# Altium PCB PCB-watch.PcbDoc
Units mm, origin at the board's own origin, x right, y up, seen from the top; angles counter-clockwise.
Board outline 22.5 x 46 mm, 2 copper layers (Top Layer, Bottom Layer); 65 components, 58 nets, 259 pads, 160 vias.
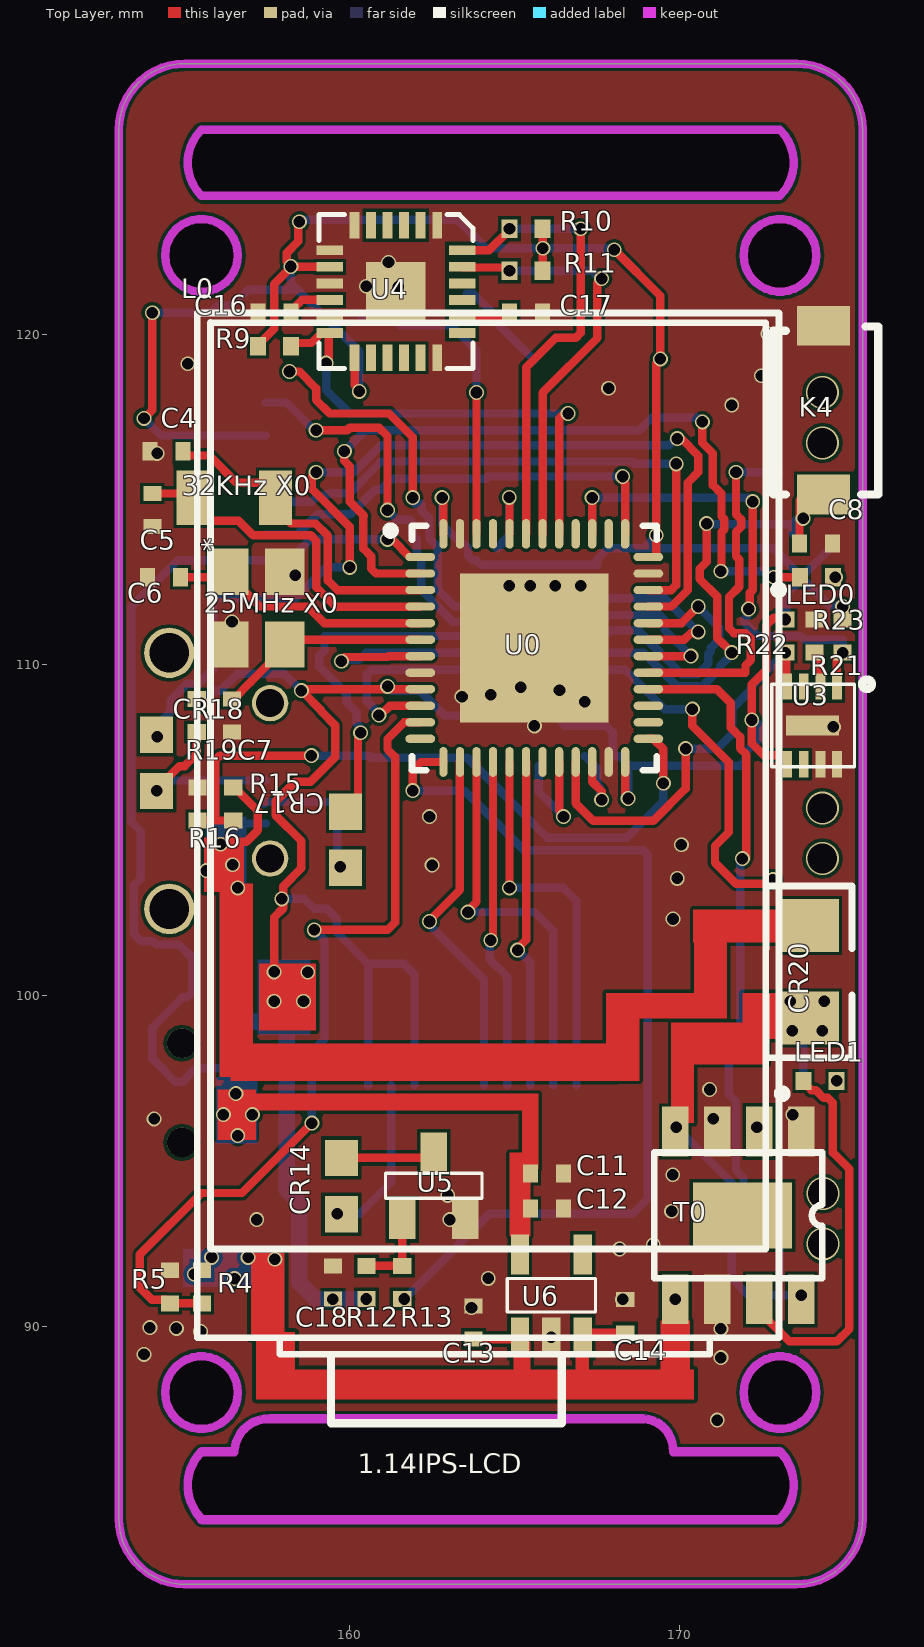
[diagram p0: Top Layer view]
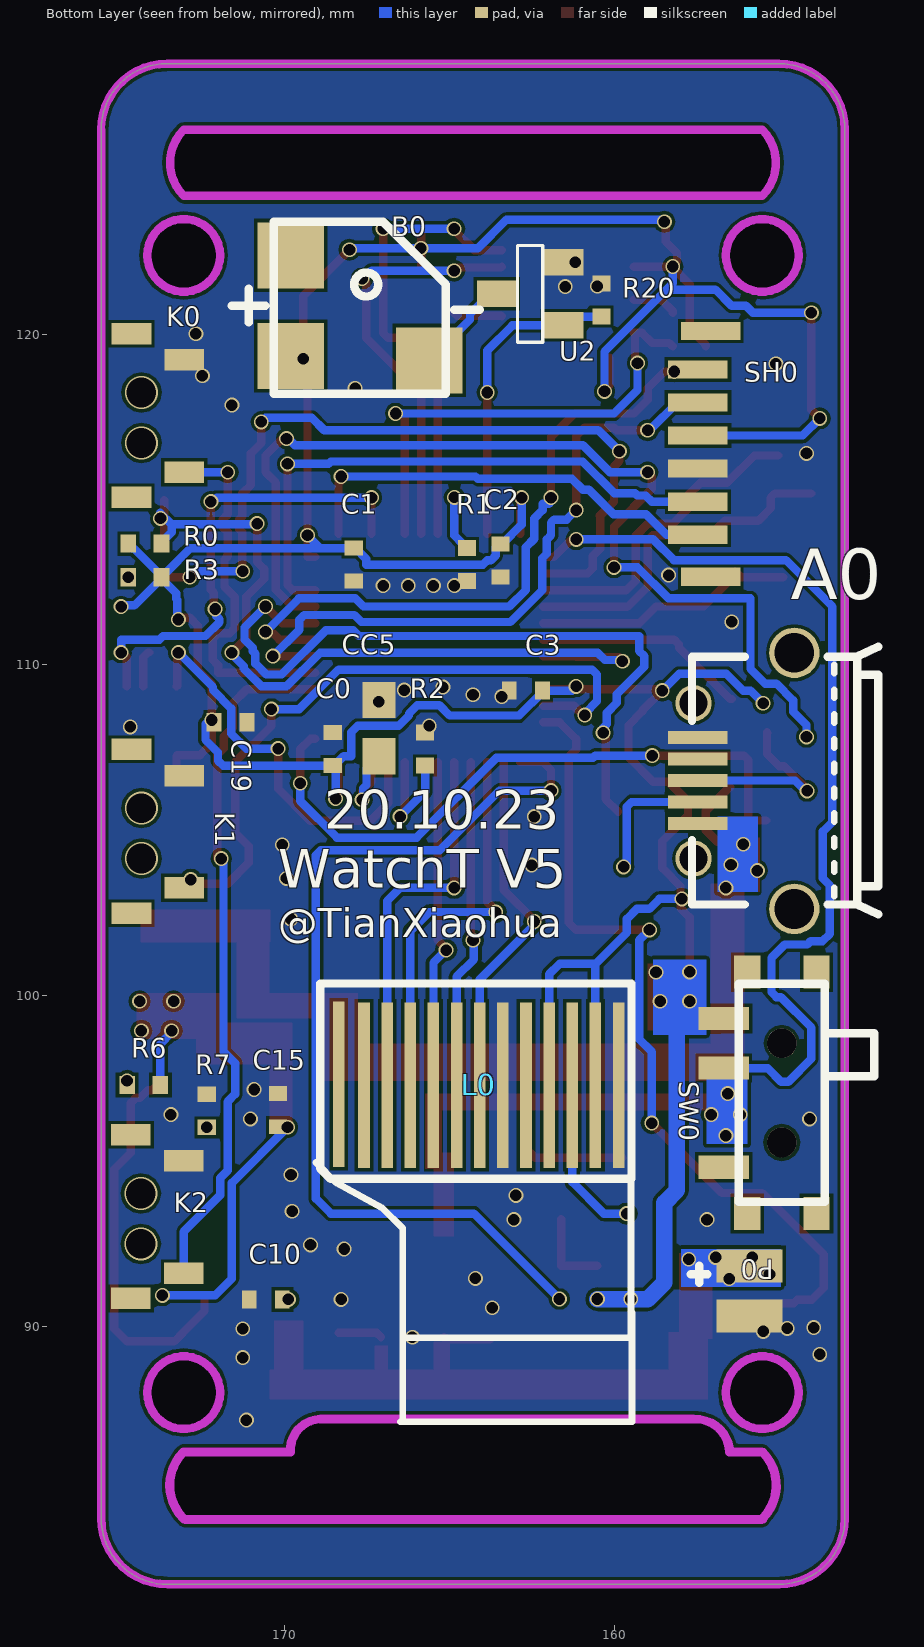
[diagram p1: Bottom Layer view, seen from below]
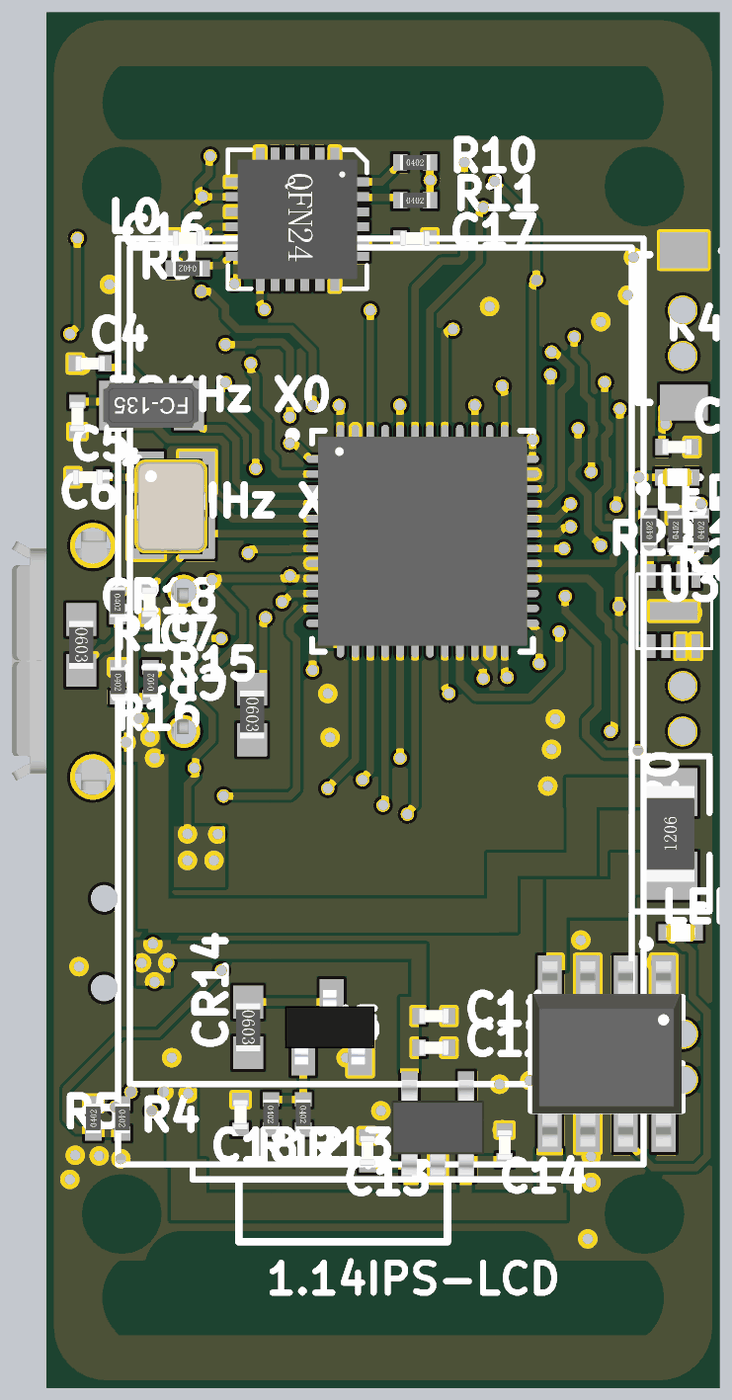
[diagram p2: 3D render of the assembled board from above, using the file's embedded part models]
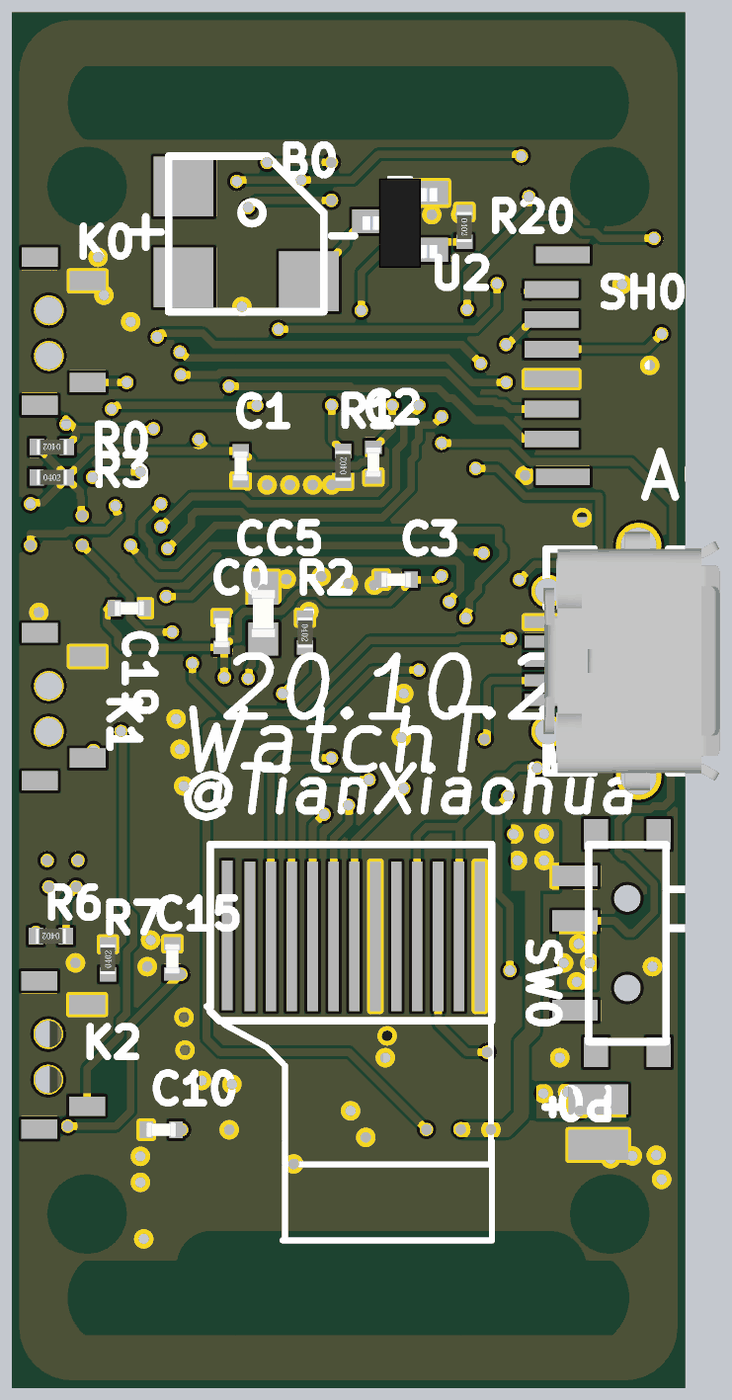
[diagram p3: 3D render of the assembled board from below, using the file's embedded part models]

## Layer stack, top to bottom
Top Solder: solder mask 0.0102, Solder Resist, Dk 3.5
Top Layer: signal copper 0.0356
Dielectric 1: dielectric 0.32, FR-4, Dk 4.8
Bottom Layer: signal copper 0.0356
Bottom Solder: solder mask 0.0102, Solder Resist, Dk 3.5

## Board outline
153.035,84.185 ccw(c155.035,84.185) 155.035,82.185 155.021,82.185 173.521,82.185 ccw(c173.528,84.192) 175.535,84.186 175.534,84.186 175.535,126.185 ccw(c173.535,126.185) 173.535,128.185 155.035,128.185 ccw(c155.035,126.185) 153.035,126.185
cut-out: 155.409,84.132 ccw(c155.535,84.153) 155.535,84.026 173.003,84.026 ccw(c173.003,84.153) 173.108,84.08 ccw(c173.035,84.185) 173.125,84.095 ccw(c172.035,85.185) 173.577,85.185 ccw(c172.035,85.185) 173.132,86.268 ccw(c173.035,86.185) 173.035,86.313 169.926,86.313 ccw(c168.855,86.241) 168.917,87.313 ccw(c168.91,87.186) 168.899,87.312 157.593,87.312 cw(c157.563,86.157) 157.594,87.312 157.593,87.312 ccw(c157.563,86.157) 156.418,86.312 155.535,86.312 ccw(c155.535,86.185) 155.445,86.275 ccw(c156.535,85.185)
cut-out: 154.4,87.987 ccw(c155.5,87.987) 155.5,86.887 ccw(c155.5,87.987) 156.6,87.987 ccw(c155.5,87.987) 155.5,89.087 ccw(c155.5,87.987)
cut-out: 171.9,87.987 ccw(c173,87.987) 173,86.887 ccw(c173,87.987) 174.1,87.987 ccw(c173,87.987) 173,89.087 ccw(c173,87.987)
cut-out: 155.556,121.285 cw(c155.556,122.385) 154.456,122.385 cw(c155.556,122.385) 155.556,123.485 cw(c155.556,122.385) 156.656,122.385 cw(c155.556,122.385)
cut-out: 173.035,121.285 cw(c173.035,122.385) 171.935,122.385 cw(c173.035,122.385) 173.035,123.485 cw(c173.035,122.385) 174.135,122.385 cw(c173.035,122.385)
cut-out: 155.535,124.185 173.035,124.185 ccw(c172.035,125.185) 173.035,126.185 155.535,126.185 ccw(c156.535,125.185)

## Design rules (kind name [scope] priority, off if disabled: settings)
Clearance [All] p1: gap=0.1 ignorepadtopadclearanceinfootprint=TRUE
DiffPairsRouting [All] p1: maxlimit=0.254 minlimit=0.15 mostfreqgap=0.254 toplayer_minwidth=0.381 toplayer_maxwidth=0.381 toplayer_prefwidth=0.381 bottomlayer_minwidth=0.381 bottomlayer_maxwidth=0.381 bottomlayer_prefwidth=0.381 maxuncoupledlength=12.7
HoleToHoleClearance [All] p1: gap=0.15 allowstackedmicrovias=TRUE
MinimumSolderMaskSliver [All] p1: minsoldermaskwidth=0.01
PlaneConnect [All] p1: planeconnectstyle=Relief reliefexpansion=0.508 reliefentries=4 reliefconductorwidth=0.5 reliefairgap=0.254
PolygonConnect [All] p1: connectstyle=Direct reliefconductorwidth=0.4 reliefentries=4 polygonreliefangle="90 Angle" airgapwidth=0.15
RoutingVias [All] p1: holewidth=0.711 width=1.27 viastyle="Through Hole" minholewidth=0.25 minwidth=0.35 maxholewidth=0.711 maxwidth=1.27
SilkToSilkClearance [All] p1: silktosilkclearance=0
SilkToSolderMaskClearance [IsPad] p1: minsilkscreentomaskgap=0 clearancetoexposedcopper=TRUE
SolderMaskExpansion [All] p1: expansion=0.102
Width [All] p1: maxlimit=1 minlimit=0.254 preferedwidth=0.254
24 further rules are at their usual default settings.

## Components (designator, comment, footprint, x,y, rotation, side; value= is the part's Value field where it differs from the comment)
"25MHz X0" "XTAL 3225 8M" "T 3225" 158.054,112.817 r270 top
"32KHz X0" "XTAL 3215 32.768kKHz" "T 3215" 157.782,115.056 r180 top
A0 "Micro USB" "Micro usb AB" 157.486,107.823 r270 bottom
B0 "5020蜂鸣器" 5020蜂鸣器 170.307,118.194 r180 bottom
C0 "100NF" 0402Capacitor 168.529,107.45 r270 bottom
C1 "100NF" 0402Capacitor 167.894,113.03 r90 bottom
C2 "100NF" 0402Capacitor 163.449,113.157 r90 bottom
C3 "100NF" 0402Capacitor 162.687,109.22 r180 bottom
C4 "15PF" 0402Capacitor 154.477,116.459 r0 top
C5 "15PF" 0402Capacitor 154.051,114.681 r90 top
C6 "8PF" 0402Capacitor 154.4,112.649 r0 top
C7 "8PF" 0402Capacitor 156.464,108.466 r90 top
C8 "1UF" 0402Capacitor 174.125,113.665 r180 top
C10 "10UF" 0402Capacitor 170.553,90.805 r180 bottom
C11 "10UF" 0402Capacitor 165.987,94.615 r180 top
C12 "100NF" 0402Capacitor 165.987,93.551 r180 top
C13 "10UF" 0402Capacitor 163.761,90.105 r270 top
C14 "100NF" 0402Capacitor 168.354,90.297 r270 top
C15 "10UF" 0402Capacitor 170.18,96.528 r270 bottom
C16 "100NF" 0402Capacitor 157.742,120.65 r180 top
C17 "2.2UF" 0402Capacitor 165.354,120.65 r180 top
C18 "1UF" 0402Capacitor 159.512,91.313 r270 top
C19 "100NF" 0402Capacitor 171.615,108.261 r0 bottom
CC5 "Cap Chip 0603" CC1608-0603 167.132,108.086 r270 bottom value=4.7uf
CR14 "Resistor Chip 0603" CR1608-0603 159.766,94.234 r270 top value=10R
CR17 "Resistor Chip 0603" CR1608-0603 159.899,104.708 r270 top value=22R
CR18 "Resistor Chip 0603" CR1608-0603 154.178,107.035 r270 top value=22R
CR20 "Resistor Chip 1206" CR3216-1206 173.914,100.711 r90 top value=0.4R
K0 "KEY 3*4" "2*4*3.5 KEY" 173.016,115.824 r90 bottom
K1 "KEY 3*4" "2*4*3.5 KEY" 173.016,103.251 r90 bottom
K2 "KEY 3*4" "2*4*3.5 KEY" 173.033,91.596 r90 bottom
K4 "KEY 3*4" "KEY 3*4" 174.351,115.152 r90 top
L0 "TFT LED" LCD-1.14IPS-(2) 155.898,120.427 r270 top
LED0 "0402 LED" "0402 LED" 174.135,112.649 r180 top
LED1 "0402 LED" "0402 LED" 174.244,97.409 r180 top
P0 "power" POWER-3.7V 157.191,92.202 r270 bottom
R0 "10K" 0402resistor 174.211,113.665 r0 bottom
R1 "10K" 0402resistor 164.465,113.03 r90 bottom
R2 "10K" 0402resistor 165.735,107.45 r270 bottom
R3 "1K" 0402resistor 174.212,112.649 r180 bottom
R4 "10K" 0402resistor 155.554,91.186 r270 top
R5 "10K" 0402resistor 154.585,91.186 r90 top
R6 "1K" 0402resistor 174.244,97.29 r0 bottom
R7 "1.2K" 0402resistor 172.339,96.512 r90 bottom
R9 "10K" 0402resistor 157.742,119.634 r180 top
R10 "10K" 0402resistor 165.354,123.19 r0 top
R11 "10K" 0402resistor 165.354,121.92 r0 top
R12 "10K" 0402resistor 160.528,91.321 r270 top
R13 "1K" 0402resistor 161.61,91.321 r270 top
R15 "10K" 0402resistor 156.498,105.791 r90 top
R16 "10K" 0402resistor 155.413,105.791 r270 top
R19 "10K" 0402resistor 155.392,108.466 r270 top
R20 "33K" 0402resistor 160.401,121.031 r270 bottom
R21 "10K" 0402resistor 174.078,110.871 r90 top
R22 "10K" 0402resistor 173.194,110.871 r90 top
R23 "10K" 0402resistor 174.928,110.871 r90 top
SH0 "SH1.0-6P" SH1.0-6P 157.48,113.935 r90 bottom
SW0 "MKS-12D19" "SW  MSK-02" 154.945,95.552 r90 bottom
T0 "TP4056X" ESOP8 173.678,95.885 r270 top
U0 "STM32F401CCU6" STM32-UFQFPN48_N 165.604,110.511 r0 top
U2 "SI2302" "SOT-23 SI2302" 161.544,120.269 r90 bottom
U3 "SHT30" SHT3X-DIS 173.254,109.343 r270 top
U4 "MPU6050" "QFN24 - duplicate" 161.417,121.29 r270 top
U5 "S8050" "SOT-23 SI2302" 161.61,93.226 r0 top
U6 "MIC5205" SOT23-5 167.071,89.662 r180 top

## Footprints (in the part's own frame and the unit in brackets; to place one, negate y for a bottom-side part, rotate by r counter-clockwise, add the part's x,y. Pads: shape width x height; smd on the part's side, far side on the other; paste and mask are expansions set on the pad)
"2*4*3.5 KEY" [mm] "非常小的贴片卧式按键"
  rect 0.65x1.2 smd: 0(-0.762,1.6) 0(4.191,1.6) 1(0,0) 2(3.4,0)
  body extent -0.51,-0.51 3.94,3.3, height 1.9
"0402 LED" [mm]
  rect 0.48x0.55 smd: 1(-0.5,0) 2(0.5,0)
  silkscreen extent 1.02,0.25 1.27,0.51, body extent -0.5,-0.3 0.5,0.3, height 0.2
0402Capacitor [mm]
  rect 0.45x0.55 smd: 1(-0.5,0) 2(0.5,0)
  body extent -0.5,-0.25 0.5,0.25, height 0.3
0402resistor [mm]
  rect 0.48x0.55 smd: 1(-0.5,0) 2(0.5,0)
  body extent -0.5,-0.25 0.5,0.25, height 0.35
5020蜂鸣器 [mm] "蜂鸣器 贴片封装"
  rect 2x2 smd: 1(0.508,1.143) 2(4.699,1.016) ""(0.508,4.191)
  silkscreen extent -1.27,0 6.22,5.21, body extent 0,0 5.21,5.08, height 2.01
CC1608-0603 [mm]
  rect 1.1x1 smd: 1(-0.85,0) 2(0.85,0)
  body extent -0.8,-0.4 0.8,0.4, height 0.3
CR1608-0603 [mm]
  rect 1.1x1 smd: 1(-0.85,0) 2(0.85,0)
  body extent -0.8,-0.4 0.8,0.4, height 0.45
CR3216-1206 [mm]
  rect 1.6x1.8 smd: 1(-1.4,0) 2(1.4,0)
  silkscreen extent -2.6,-1.3 2.6,1.3, body extent -1.6,-0.8 1.6,0.8, height 0.6
ESOP8 [mm]
  rect 1.5x0.8 smd: 1(0,0) 2(0,-1.27) 3(0,-2.54) 4(0,-3.81) 5(5.081,-3.81) 6(5.081,-2.54) 7(5.081,-1.27) 8(5.081,0)
  rect 2x3 smd: 9(2.54,-1.778)
  silkscreen extent 0.63,-4.44 4.45,0.64, body extent -0.56,-4.41 5.64,0.6, height 1.75
"KEY 3*4" [mm] "非常小的贴片卧式按键"
  rect 1.2x1.6 smd: 1(0,0) 2(5.1,0)
  silkscreen extent 0,-1.65 5.08,1.52, body extent 0.51,-1.71 4.57,1.46, height 2.5
LCD-1.14IPS-(2) [mm]
  rect 5x0.35 smd far side: 1(23.114,12.446) 2(23.145,11.683) 3(23.145,10.983) 4(23.145,10.283) 5(23.145,9.583) 6(23.145,8.883) 7(23.145,8.183) 8(23.145,7.483) 9(23.145,6.783) 10(23.145,6.083) 11(23.145,5.383) 12(23.145,4.683) 13(23.145,3.983)
  silkscreen extent -0.22,-0.49 33.37,17.11, body extent -0.13,-0.38 30.61,16.89, height 3.26
"Micro usb AB" [mm]
  rect 0.4x1.8 smd: 1(2.623,0) 2(1.973,0) 3(1.323,0) 4(0.673,0) 5(0.023,0)
  round 1.524 hole 1.2: 15(-2.54,2.921) 15(5.207,2.921)
  round 1.1 hole 0.85: 15(-1.016,-0.127) 15(3.683,-0.127)
  silkscreen extent -2.73,-0.17 5.37,5.46, body extent -3,-0.28 5.65,5.62, height 2.81
POWER-3.7V [mm]
  rect 1x2 smd: 1(0.381,1.27) 2(1.905,1.27)
  silkscreen extent 0.38,-0.51 0.89,0
"QFN24 - duplicate" [mm]
  rect 0.8x0.3 smd: 1(-2,1.25) 2(-2,0.75) 3(-2,0.25) 4(-2,-0.25) 5(-2,-0.75) 6(-2,-1.25) 13(2,-1.25) 14(2,-0.75) 15(2,-0.25) 16(2,0.25) 17(2,0.75) 18(2,1.25)
  rect 1.8x1.8 smd: 1(0.005,0)
  rect 0.3x0.8 smd: 7(-1.25,-2) 8(-0.75,-2) 9(-0.25,-2) 10(0.25,-2) 11(0.75,-2) 12(1.25,-2) 19(1.25,2) 20(0.75,2) 21(0.25,2) 22(-0.25,2) 23(-0.75,2) 24(-1.25,2)
  silkscreen extent -2.32,-2.32 2.32,2.32, body extent -2,-2 2.01,2, height 0.9
SH1.0-6P [mm]
  rect 0.55x1.8 smd: 0(-1.27,-0.381) 0(6.159,-0.381) 1(0,0) 2(1,0) 3(2,0) 4(3,0) 5(4,0) 6(5,0)
  body extent -1.52,-3.17 6.48,0, height 3
SHT3X-DIS [mm]
  rect 0.8x0.3 smd: 1(0,1.5) 2(0,1) 3(0,0.5) 4(0,0) 5(2.35,0) 6(2.35,0.5) 7(2.35,1) 8(2.35,1.5)
  rect 0.6x1.6 smd: 9(1.175,0.762)
  silkscreen extent -0.21,-0.47 2.43,2.56, body extent -0.1,-0.51 2.44,2.03, height 1.27
SOT23-5 [mm] "适用于MIC5205"
  rect 0.55x1.2 smd: 1(1.905,0) 2(0.955,0) 3(0.005,0) 4(0.005,-2.5) 5(1.905,-2.5)
  silkscreen extent -0.38,-1.78 2.29,-0.76, body extent -0.6,-2.82 2.5,0.38, height 1.45
"SOT-23 SI2302" [mm]
  rect 0.8x1.2 smd: 1(0,0) 2(1.905,0) 3(0.95,2.02)
  silkscreen extent -0.51,0.63 2.41,1.4, body extent -0.61,-0.23 2.39,2.27, height 1.05
STM32-UFQFPN48_N [mm] "QFN, 48-Leads, Body 7.1x7.1mm, Pitch 0.5mm, Thermal Pad 5.6x5.6mm, IPC Medium Density"
  oval 0.9x0.25 smd: 1(-3.45,2.75) 2(-3.45,2.25) 3(-3.45,1.75) 4(-3.45,1.25) 5(-3.45,0.75) 6(-3.45,0.25) 7(-3.45,-0.25) 8(-3.45,-0.75) 9(-3.45,-1.25) 10(-3.45,-1.75) 11(-3.45,-2.25) 12(-3.45,-2.75) 25(3.45,-2.75) 26(3.45,-2.25) 27(3.45,-1.75) 28(3.45,-1.25) 29(3.45,-0.75) 30(3.45,-0.25) 31(3.45,0.25) 32(3.45,0.75) 33(3.45,1.25) 34(3.45,1.75) 35(3.45,2.25) 36(3.45,2.75)
  oval 0.25x0.9 smd: 13(-2.75,-3.45) 14(-2.25,-3.45) 15(-1.75,-3.45) 16(-1.25,-3.45) 17(-0.75,-3.45) 18(-0.25,-3.45) 19(0.25,-3.45) 20(0.75,-3.45) 21(1.25,-3.45) 22(1.75,-3.45) 23(2.25,-3.45) 24(2.75,-3.45) 37(2.75,3.45) 38(2.25,3.45) 39(1.75,3.45) 40(1.25,3.45) 41(0.75,3.45) 42(0.25,3.45) 43(-0.25,3.45) 44(-0.75,3.45) 45(-1.25,3.45) 46(-1.75,3.45) 47(-2.25,3.45) 48(-2.75,3.45)
  rect 4.5x4.5 smd: 49(0,0)
  silkscreen extent -4.47,-3.7 3.7,3.7, body extent -3.5,-3.5 3.5,3.5, height 0.55
"SW  MSK-02" [mm] "拨动开关"
  rect 1x0.8 smd: 0(-2.15,-1.05) 0(-2.15,1.05) 0(5.15,-1.05) 0(5.15,1.05)
  rect 0.7x1.524 smd: 1(-0.75,1.75) 2(2.25,1.75) 3(3.75,1.75)
  round 0.9 hole 0.9 unplated: ""(0,0) ""(3,0)
  silkscreen extent -1.8,-2.8 4.8,1.3, body extent -2.6,-2.79 5.59,2.22, height 1.6
"T 3215" [mm]
  rect 1x1.65 smd: 1(0,0) 2(2.5,0)
  body extent -0.33,-0.75 2.87,0.75, height 0.8
"T 3225" [mm]
  rect 1.4x1.2 smd: 1(0,-1.7) 2(2.2,0) 3(0,0) 3(2.2,-1.7)
  body extent -0.46,-2.12 2.74,0.38, height 0.61

## Part data
B0: "蜂鸣器，贴片封装，长宽5.2mm"
C0 C1 C2 C3 C4 C5 C6 C7 C8 C10 C11 C12 C13 C14 C15 C16 C17 C18 C19: library part "0402 CAP"
CC5: "Polarized Capacitor (Radial)", Published=8-Jun-2000, Publisher="Altium Limited", Revision="July-2002: Re-released for DXP Platform."
CR14 CR17 CR18 CR20: "Resistor", Published=8-Jun-2000, Publisher="Altium Limited", Revision="July-2002: Re-released for DXP Platform."
L0: library part LCD-IPSscreen, "显示屏 1.14寸"
R0 R1 R2 R3 R4 R5 R6 R7 R9 R10 R11 R12 R13 R15 R16 R19 R20 R21 R22 R23: library part "0402 RES"
SH0: "间距为1mm的端子"
SW0: library part sw-MSK-12D19
U0: library part stm32F411CEU6, "stm32单片机 主频100MHz"
U2: "NMOS场效应MOS管 SOT-23"
U3: "温湿度传感器"
U4: "陀螺仪"
U5: "三极管放大管 NPN型三极管 大电流300ma"
U6: "3.3V降压稳压芯片"

## Via types
v1: diameter 0.45, hole 0.35, Top Layer to Bottom Layer, 154 vias
v2: diameter 1, hole 0.9, Top Layer to Bottom Layer, 6 vias

## Nets (pads, with @x,y where several pads share a name; then routed paths per layer and width w, separated by ;. In a path a pad name is that pad's centre, name@x,y a point inside that pad or via, vN(x,y) a via of type N, cw(c..) or ccw(c..) an arc to the next point about the centre after c; other vN are vias at no path point)
3.3V: B0.1 C0.2 C1.2 C2.2 C3.2 C18.2 C19.2 L0.10 L0.12 R0.2 R3.2 R9.2 R10.2 R11.2 R12.2 R19.1 R22.2 R23.2 SH0.4 SW0.3 U0.9 U0.24 U0.36 U0.48 U3.5 U4.8 U4.13 | length 127
  Top Layer w0.254: v1(153.797,117.453) 154.051,117.707 v1(154.051,120.65) ; R9.2 157.242,119.669 157.734,120.161 157.734,121.51 158.264,122.04 U4.8 ; v1(157.734,100.711) 157.734,102.362 158.01,102.638 158.01,103.301 158.559,103.849 158.559,104.668 157.782,105.445 157.782,105.873 158.373,106.464 158.837,106.464 159.582,107.209 159.582,108.168 159.167,108.583 159.167,108.612 v1(158.559,109.22) ; v1@158.115,122.188 158.115,122.459 158.458,122.803 158.458,123.364 v1(158.496,123.401) ; v1@158.559,109.261 U0.9 ; U4.13 160.167,118.462 160.308,118.321 v1(160.308,118.268) ; v1(162.814,115.056) 162.814,115.003 162.854,114.963 U0.48 ; R11.2 R10.2 ; v1(168.021,122.555) 169.418,121.158 v1(169.418,119.253) 169.291,119.126 v1(169.291,113.919) 169.291,113.263 169.289,113.261 U0.36 ; U0.24 168.354,106.094 168.44,106.009 v1(168.44,105.956) ; v1(173.194,111.371) 173.142,111.423 172.847,111.423 172.614,111.19 172.614,109.843 172.182,109.412 v1(172.182,108.331) 172.182,107.621 172.537,107.266 173.231,107.266 173.254,107.243 U3.5
  Bottom Layer w0.254: v1(153.797,117.453) 154.315,116.935 SH0.4 ; v1(154.051,120.65) 155.82,120.65 156.03,120.86 156.464,120.86 156.952,121.349 158.433,121.349 ; v1(155.51,108.839) 155.891,109.22 156.114,109.22 156.622,109.728 158.051,109.728 v1(158.559,109.22) ; v1(157.965,102.92) 158.647,102.92 158.95,102.616 159.333,102.616 159.633,102.316 159.633,101.904 160.581,100.956 ; v1(158.242,122.047) 158.242,121.539 158.433,121.349 ; v1(158.496,123.401) 158.559,123.464 163.272,123.464 164.136,122.6 v1(165.862,122.6) 167.976,122.6 v1(168.021,122.555) ; v1(160.308,118.268) 160.308,119.473 158.433,121.349 ; L0.12 160.581,100.956 ; v1@161.29,109.22 C3.2 162.187,109.17 162.891,108.466 164.99,108.466 165.307,108.783 165.966,108.783 166.221,108.528 166.221,108.466 166.528,108.159 167.767,108.159 167.971,107.955 167.971,107.236 168.193,107.236 168.479,106.95 C0.2 ; L0.10 161.981,100.64 161.665,100.956 160.581,100.956 ; v1(162.814,115.056) 162.814,114.242 163.399,113.657 C2.2 ; C2.2@163.597,113.559 163.597,113.306 163.746,113.157 163.854,113.157 163.981,113.03 167.513,113.03 167.513,113.199 167.844,113.53 C1.2 168.91,113.53 ; v1(168.44,105.956) 168.44,106.86 C0.2 ; v1(169.291,113.919) 169.291,113.911 168.91,113.53 ; v1(172.182,108.331) 172.258,108.331 172.376,108.213 172.376,107.729 171.996,107.349 171.996,107.099 171.848,106.95 C0.2 ; v1(173.194,111.371) 173.231,111.409 173.231,111.961 173.265,111.994 173.265,112.168 R3.2@173.711,112.614 ; R0.2 174.711,113.63 174.598,113.517 174.544,113.517 R3.2@173.711,112.684 ; v1(174.928,111.76) 174.89,111.798 174.528,111.798 R3.2@173.711,112.614 ; 168.91,113.53 172.83,113.53 173.563,112.797 173.598,112.797 R3.2@173.711,112.684 ; R3.2@173.711,112.614 R3.2 R3.2@173.711,112.684
  Bottom Layer w0.5: SW0.3 156.795,99.202 157.822,99.202 158.115,98.909 158.115,94.107 158.496,93.726 158.496,91.313 159.004,90.805 160.512,90.805 v1(160.524,90.817)
  other v1: 159.512,90.813 157.734,99.822 158.623,99.822 158.75,100.702 161.167,109.347
5V: A0.1 CR20.2 R15.2 | length 4
  Top Layer w0.254: R15.2 156.533,106.291 157.242,105.582 157.242,104.995 156.895,104.648 156.691,104.648 156.601,104.559
  Bottom Layer w0.254: v1@156.201,104.614 156.787,105.2 A0.1
  other v1: 156.635,103.251 155.685,103.776 156.48,103.953 156.111,104.573
bat-3.7V: C10.2 C13.2 C14.2 P0.1 R4.1 T0.5 U6.1 U6.3 | length 2.8
  Top Layer w0.254: C13.2 165.109,89.605 U6.1 ; U6.3 167.201,89.797 C14.2
  other v1: 169.868,90.804 156.535,91.434 155.317,91.567 157.758,92.021 155.841,92.075 156.946,92.075
beep: R20.2 U0.46 U2.1 | length 9.4
  Top Layer w0.254: U0.46 v1(163.854,118.237)
  Bottom Layer w0.254: R20.2 161.282,120.531 U2.1 163.092,120.269 163.854,119.507 v1(163.854,118.237)
BOOT0: R1.2 U0.44 | length 2.8
  Top Layer w0.254: v1(164.846,115.062) 164.852,115.056 164.852,113.963 U0.44
  Bottom Layer w0.254: R1.2 164.5,113.53 164.613,113.643 164.613,113.678 164.846,113.911 v1(164.846,115.062)
BOOT1: R2.2 U0.20 | length 3.6
  Top Layer w0.254: U0.20 166.354,105.596 166.487,105.463 v1(166.487,105.41)
  Bottom Layer w0.254: R2.2 165.735,106.162 v1(166.487,105.41)
GND: "25MHz X0.3" A0.5 C0.1 C1.1 C2.1 C3.1 C4.1 C5.1 C6.1 C7.1 C8.1 C10.1 C11.1 C12.1 C13.1 C14.1 C15.1 C16.2 C17.1 C18.1 C19.1 CC5.1 K0.2 K1.2 K2.2 K4.2 L0.8 L0.13 P0.2 R1.1 R2.1 R5.2 R7.2 R16.1 R20.1 R21.2 SH0.3 T0.1 T0.3 T0.6 U0.8 U0.23 U0.35 U0.47 U0.49 U2.2 U3.7 U3.8 U3.9 U4.1 U4.6 U4.7 U4.9 U4.11 U4.18 U5.2 U6.2
  other v1: 171.138,87.152 171.249,89.045 153.797,89.144 166.116,89.662 155.506,89.836 171.249,89.916 153.977,89.954 154.778,89.93 163.703,90.551 168.275,90.805 164.211,91.44 168.185,92.329 169.201,92.456 157.208,93.218 163.048,93.218 169.756,93.472 162.987,93.95 169.791,94.574 154.103,96.266 171.019,96.266 173.422,96.393 170.905,97.155 169.799,102.312 169.926,103.542 162.512,103.94 170.053,104.559 162.433,105.41 174.651,108.123 165.608,108.151 167.132,108.889 163.417,109.04 164.285,109.093 166.365,109.235 165.196,109.327 156.46,111.3 164.846,112.395 165.481,112.395 166.243,112.395 167.005,112.395 158.369,112.711 154.197,116.397 171.577,117.856 167.85,118.364 172.472,118.745 155.121,119.106 172.668,120.015 160.524,121.449 161.494,121.439 161.192,122.17
key-1: K0.1 U0.29 | length 11.2
  Top Layer w0.254: U0.29 171.991,109.761 171.991,109.984 172.155,110.148 172.155,110.801 171.996,110.96 171.64,110.96 171.492,111.109 171.492,112.051 171.802,112.361 171.802,113.186 171.704,113.284 171.704,114.019 171.858,114.173 171.858,114.4 171.704,114.554 v1(171.704,115.824)
  Bottom Layer w0.254: v1(171.704,115.824) K0.1
key-2: K1.1 U0.10 | length 20.5
  Top Layer w0.254: v1(160.903,108.481) 160.956,108.481 161.236,108.761 U0.10 ; v1(170.384,108.661) 170.384,108.155 171.48,107.059 171.48,104.932 171.069,104.521 171.069,104.013 171.704,103.378 172.693,103.378 v1(172.82,103.505)
  Bottom Layer w0.254: v1(160.903,108.481) 160.903,108.534 160.535,108.901 160.535,109.706 160.684,109.855 168.347,109.855 169.541,108.661 v1(170.384,108.661)
key-3: K2.1 U0.28 | length 20.9
  Top Layer w0.254: U0.28 171.127,109.261 171.547,108.841 171.547,108.102 171.828,107.82 171.828,107.475 172.019,107.284 v1@172.019,104.14
  Bottom Layer w0.254: v1@171.935,104.14 171.831,104.036 171.831,98.298 171.48,97.947 171.48,97.012 171.704,96.788 171.704,94.704 171.931,94.477 171.931,93.96 173.033,92.858 K2.1
  other v1: 171.9,104.14
LCD_BLK: R13.2 U0.13 | length 28.6
  Top Layer w0.254: v1(161.925,106.195) 161.925,106.813 162.173,107.061 U0.13
  Bottom Layer w0.254: v1(161.671,90.817) 164.256,93.402 168.585,93.402 169.037,93.854 169.037,104.245 168.888,104.394 165.285,104.394 163.484,106.195 v1(161.925,106.195)
LCD_CS: L0.7 U0.14 | length 10.9
  Top Layer w0.254: v1@162.398,102.235 163.354,103.191 U0.14
  Bottom Layer w0.254: v1(162.433,102.235) 162.433,102.132 164.081,100.484 L0.7
LCD_DC: L0.5 U0.18 | length 10
  Top Layer w0.254: v1(165.1,101.371) 165.1,101.424 165.354,101.678 U0.18
  Bottom Layer w0.254: v1(165.1,101.371) 165.481,100.99 L0.5
LCD_LEDK: CR14.2 L0.11 | length 5
  Bottom Layer w0.254: v1(159.639,93.402) 160.331,93.402 161.281,94.352 L0.11
LCD_RES: L0.6 U0.16 | length 10
  Top Layer w0.254: v1@164.354,101.727 U0.16
  Bottom Layer w0.254: v1(164.285,101.669) 164.256,101.64 164.256,101.092 164.781,100.567 L0.6
LCD_SCL: L0.4 U0.15 | length 12.1
  Top Layer w0.254: v1(163.597,102.522) 163.597,102.575 163.854,102.832 U0.15
  Bottom Layer w0.254: v1(163.597,102.522) 165.608,102.522 166.181,101.949 L0.4
LCD_SDA: L0.3 U0.17 | length 11.6
  Top Layer w0.254: v1(164.854,103.251) U0.17
  Bottom Layer w0.254: v1(164.854,103.251) 166.487,103.251 166.881,102.857 L0.3
LED: LED0.2 U0.2 | length 24.1
  Top Layer w0.254: v1(159.857,116.459) 159.857,116.167 160.02,116.004 160.02,114.938 160.448,114.509 160.435,114.496 160.435,113.516 160.667,113.284 160.667,112.912 160.816,112.763 162.152,112.763 U0.2 ; v1(170.688,117.348) 170.688,116.713 171.004,116.397 171.004,115.433 171.248,115.189 171.267,115.189 171.267,114.49 171.35,114.407 171.35,114.101 171.267,114.018 171.267,112.847 v1(171.249,112.829) ; v1(172.851,112.649) LED0.2
  Bottom Layer w0.254: v1(159.857,116.459) 160.492,117.094 168.783,117.094 169.164,117.475 170.561,117.475 v1(170.688,117.348) ; v1(171.249,112.829) 172.618,112.829 172.798,112.649 v1(172.851,112.649)
MPU_INT: R9.1 U0.41 U4.12 | length 14.5
  Top Layer w0.254: R9.1 158.343,119.735 158.863,119.735 159.167,120.04 U4.12@159.408,120.04 ; v1@159.385,119.126 159.385,120.017 U4.12@159.408,120.04 ; U4.12 U4.12@159.408,120.04 ; U0.41 166.354,117.453 166.503,117.602 v1(166.624,117.602)
  Bottom Layer w0.254: v1(159.308,119.126) 159.308,118.314 160.02,117.602 v1(166.624,117.602)
MPU_SCL: R11.1 U0.42 U4.23 | length 12.8
  Top Layer w0.254: U4.23 163.44,122.017 164.758,122.017 v1(164.854,121.92) ; U0.42 165.854,118.229 167.513,119.888 167.513,121.557 v1(167.64,121.684)
  Bottom Layer w0.254: v1(164.854,121.92) 167.351,121.92 167.587,121.684 v1(167.64,121.684)
MPU_SDA: R10.1 U0.43 U4.24 | length 14.1
  Top Layer w0.254: U4.24 164.239,122.54 164.854,123.155 v1(164.854,123.19) ; U0.43 165.354,118.999 166.243,119.888 166.856,119.888 167.005,120.037 v1@167.005,123.155
  Bottom Layer w0.254: v1(164.854,123.19) v1(167.005,123.19)
NetA0_2: A0.2 CR17.2 | length 4.2
  Bottom Layer w0.254: A0.2@157.421,105.791 A0.2@157.48,105.85 ; A0.2 159.491,105.85 159.64,105.701 159.64,103.976 v1(159.73,103.886)
NetA0_3: A0.3 CR18.2 R19.2 | length 5.8
  Top Layer w0.254: v1(154.178,106.185) 154.178,106.235 154.877,106.934 155.027,106.934 155.392,107.299 R19.2 R19.2@155.376,107.949
  Bottom Layer w0.254: v1(154.178,106.185) 154.231,106.185 154.546,106.5 A0.3@157.48,106.5
NetB0_2: B0.2 U2.3 | length 3
  Bottom Layer w0.254: U2.3 163.764,121.219 164.376,120.607 164.376,120.442 B0.2
NetC15_2: C15.2 CR20.1 R6.1 T0.4 T0.8 | length 9.4
  Bottom Layer w0.254: v1(169.895,96.012) 171.577,94.33 171.577,91.434 172.085,90.926 v1(173.679,90.926) ; v1(173.401,98.933) 173.401,98.88 173.744,98.537 R6.1
  other v1: 174.316,98.933 173.342,99.822 174.371,99.822
NetC16_1: C16.1 U4.10 | length 1.4
  Top Layer w0.254: C16.1 158.242,120.7 158.582,121.04 U4.10
NetC17_2: C17.2 U4.20 | length 1.5
  Top Layer w0.254: U4.20 163.44,120.563 164.767,120.563 C17.2
NetCR14_1: CR14.1 U5.3 | length 2.9
  Top Layer w0.254: CR14.1 162.398,95.084 U5.3
NetLED0_1: LED0.1 R3.1
  other v1: 174.711,112.649
NetLED1_1: LED1.1 R6.2
  other v1: 174.75,97.415
NetLED1_2: LED1.2 T0.7 | length 11.8
  Top Layer w0.254: T0.7 172.408,90.454 173.04,89.822 173.04,89.812 173.317,89.535 174.752,89.535 175.133,89.916 175.133,94.748 174.635,95.246 174.635,96.752 174.486,96.901 174.351,96.901 174.117,97.135 173.982,97.135 LED1.2@173.744,97.374
NetR7_1: R7.1 T0.2
  other v1: 172.339,96.012
NetR12_1: R12.1 R13.1 U5.1 | length 2.5
  Top Layer w0.254: R12.1 R13.1 U5.1
NetR21_1: R21.1 U3.2 | length 1.1
  Top Layer w0.254: R21.1 174.113,110.371 174.254,110.231 U3.2
NRST: C8.2 K4.1 R0.1 U0.7 | length 24.9
  Top Layer w0.254: v1@159.766,110.145 159.857,110.236 161.167,110.236 161.192,110.261 U0.7 ; v1(170.815,114.273) 170.815,113.115 170.603,112.903 170.603,112.6 171.138,112.065 171.138,110.811 v1(171.577,110.371) ; C8.2 K4.1@173.625,114.972
  Bottom Layer w0.254: v1(159.766,110.109) 159.804,110.147 160.296,110.147 160.512,110.363 168.914,110.363 169.925,109.352 170.686,109.352 171.222,109.888 171.222,109.963 171.577,110.318 v1(171.577,110.371) ; v1(170.815,114.273) 170.836,114.252 173.403,114.252 ; R0.1 173.711,113.7 173.403,114.009 173.403,114.252 ; v1(173.736,114.427) 173.736,114.586 173.748,114.598 173.403,114.252
PA1: R4.2 R5.1 U0.11 | length 25.5
  Top Layer w0.254: R4.2 R5.1 154.472,90.799 154.033,90.799 153.67,91.162 153.67,92.162 155.532,94.024 156.762,94.024 v1(158.877,96.139) ; v1(158.946,101.981) 161.167,101.981 161.392,102.206 161.392,107.214 161.163,107.443 161.163,107.761 161.663,108.261 U0.11
  Bottom Layer w0.254: v1(158.877,96.139) 158.877,98.298 159.258,98.679 159.258,101.669 v1(158.946,101.981)
PA2: U0.12
PA9: SH0.5 U0.30 | length 20.1
  Top Layer w0.254: v1(159.004,117.094) 159.944,117.094 160.022,117.171 160.909,117.171 161.163,116.917 v1(161.163,114.681) ; U0.30 v1(170.339,110.261)
  Bottom Layer w0.254: SH0.5 158.105,117.935 158.946,117.094 v1(159.004,117.094) ; v1(161.163,114.681) 161.452,114.392 161.833,114.392 161.925,114.3 161.925,113.919 162.052,113.792 162.052,113.362 162.187,113.227 162.187,112.26 163.152,111.295 167.661,111.295 167.873,111.506 169.393,111.506 169.541,111.357 169.541,111.058 v1(170.339,110.261)
PA10: SH0.6 U0.31 | length 20
  Top Layer w0.254: v1(158.198,118.872) 158.496,118.872 159.004,118.364 159.004,118.015 159.417,117.602 161.212,117.602 161.925,116.889 v1(161.925,115.056) ; U0.31 170.139,110.761 170.339,110.96 170.523,110.96 v1(170.561,110.998)
  Bottom Layer w0.254: v1(161.925,115.056) 161.925,114.935 161.991,114.869 162.179,114.869 162.179,114.681 162.433,114.427 162.433,113.813 162.687,113.559 162.687,112.264 163.188,111.763 167.598,111.763 167.844,112.01 169.549,112.01 v1(170.561,110.998)
PA11: CR17.1 U0.32 | length 22.3
  Top Layer w0.254: CR17.1 160.272,105.931 160.272,107.813 160.351,107.892 v1(160.351,107.945) ; U0.32 170.059,111.261 v1(170.561,111.763)
  Bottom Layer w0.254: v1(160.351,107.945) 160.351,108.094 160.235,108.211 160.235,108.551 159.931,108.855 159.931,109.112 159.099,109.944 159.099,110.261 159.258,110.42 159.258,110.871 167.738,110.871 167.912,111.045 168.733,111.045 170.071,109.706 170.539,109.706 170.868,110.035 170.868,110.336 170.943,110.411 170.943,110.51 171.196,110.763 171.196,111.128 v1(170.561,111.763)
PA12: CR18.1 U0.33 | length 30.8
  Top Layer w0.254: v1(159.004,115.824) 158.877,115.697 158.877,115.316 160.02,114.173 v1(160.02,112.946) ; U0.33 169.056,111.763 169.749,111.763 170.249,112.263 170.249,115.512 170.561,115.824 170.561,116.332 170.053,116.84 v1(169.926,116.84)
  Bottom Layer w0.254: v1(154.197,107.818) 154.197,108.181 154.6,108.585 154.6,108.926 155.107,109.433 155.448,109.433 155.892,109.877 155.892,112.014 158.377,112.014 159.308,112.946 v1(160.02,112.946) ; v1(159.004,115.824) 160.143,115.824 160.961,116.642 169.675,116.642 169.873,116.84 v1(169.926,116.84)
PA13: SH0.2 U0.34 | length 17.5
  Top Layer w0.254: U0.34 169.746,112.261 169.895,112.41 169.895,116.05 v1@169.868,116.078
  Bottom Layer w0.254: SH0.2 158.877,114.935 159.065,115.123 159.319,115.123 159.385,115.189 160.008,115.189 160.968,116.149 168.585,116.149 168.656,116.078 v1(169.895,116.078)
PA14: SH0.1 U0.37 | length 13.3
  Top Layer w0.254: v1(168.275,115.697) 168.275,115.57 168.354,115.491 U0.37
  Bottom Layer w0.254: SH0.1 158.433,113.935 159.052,114.554 160.04,114.554 160.782,115.296 160.962,115.296 161.29,115.624 164.135,115.624 164.208,115.697 v1(168.275,115.697)
PA15: U0.38
PB1: U0.19
PB3: R23.1 U0.39 U3.1 | length 14.2
  Top Layer w0.254: U0.39 v1(167.354,115.056) ; v1(172.085,111.688) 172.123,111.725 172.123,112.181 172.212,112.27 v1(172.212,114.935) ; U3.1 174.754,110.232 174.893,110.371 v1(174.928,110.371)
  Bottom Layer w0.254: v1(167.354,115.056) v1@172.038,115.056 ; v1(172.085,111.688) 172.047,111.65 172.047,111.471 171.958,111.382 171.958,111.289 172.376,110.871 173.661,110.871 173.769,110.763 174.928,110.763 v1(174.928,110.371)
PB4: U0.40
PB8: U0.45
PB10: R22.1 U0.21 U3.4 | length 12.2
  Top Layer w0.254: U0.21 166.854,105.813 167.384,105.283 169.207,105.283 170.18,106.256 v1(170.18,107.466) ; v1(173.194,110.371) 173.231,110.334 173.231,109.366 U3.4
  Bottom Layer w0.254: v1(170.18,107.466) 171.142,107.466 171.6,107.924 171.6,108.684 172.15,109.235 172.15,109.327 v1(173.194,110.371)
PB12: R15.1 R16.2 U0.25 | length 20.2
  Top Layer w0.254: R16.2 155.956,105.291 ; R15.1 155.956,105.291 ; v1(158.863,107.253) 156.083,107.253 155.956,107.125 155.956,105.291 ; U0.25 169.201,107.761 169.51,107.453 v1(169.51,106.418)
  Bottom Layer w0.254: v1(158.863,107.253) 160.59,107.253 160.655,107.188 163.576,107.188 165.989,104.775 168.402,104.775 169.51,105.883 v1(169.51,106.418)
PB13: U0.26
PB14: U0.27
PC14: "32KHz X0.1" C4.2 U0.3 | length 9.8
  Top Layer w0.254: C4.2@155.051,116.332 155.776,116.332 156.602,115.506 157.409,115.506 157.782,115.133 157.782,115.056 157.782,114.731 158.24,114.273 158.988,114.273 159.358,113.903 159.358,112.548 159.645,112.261 U0.3
PC15: "32KHz X0.2" C5.2 U0.4 | length 10.5
  Top Layer w0.254: C5.2 155.157,115.181 155.282,115.056 155.282,114.731 155.655,114.358 156.66,114.358 157.099,113.919 158.841,113.919 159.004,113.756 159.004,112.351 159.592,111.763 159.639,111.763 159.641,111.761 U0.4
PH0: "25MHz X0.1" C6.2 U0.5 | length 8
  Top Layer w0.254: C6.2 156.186,112.649 156.354,112.817 156.354,112.717 157.308,111.763 158.747,111.763 159.249,111.261 U0.5
PH1: "25MHz X0.2" C7.2 U0.6 | length 6.5
  Top Layer w0.254: C7.2 156.514,108.966 157.022,109.474 157.022,109.485 158.054,110.517 158.054,110.617 158.198,110.761 U0.6
VBAT: C11.2 C12.2 SW0.2 U0.1 U6.5 | length 28.7
  Top Layer w0.254: v1(161.163,113.792) 161.201,113.754 161.339,113.754 161.833,113.261 U0.1
  Bottom Layer w0.254: SW0.2 155.375,97.802 154.96,97.387 154.75,97.387 154.051,98.086 154.051,99.024 154.976,99.949 155.108,99.949 155.257,100.098 155.257,101.139 154.856,101.54 154.17,101.54 154.07,101.64 153.714,101.64 153.491,101.863 153.491,103.326 153.704,103.539 153.704,104.961 153.416,105.249 153.416,111.76 154.823,113.167 158.208,113.167 158.833,113.792 v1(161.163,113.792)
  other v1: 156.635,95.758 156.201,96.393 157.078,96.393 156.578,97.028
VCAP1: CC5.2 U0.22 | length 2.8
  Top Layer w0.254: U0.22 167.356,107.059 167.356,106.464 167.64,106.18 v1(167.64,105.918)
  Bottom Layer w0.254: CC5.2 167.505,106.863 167.505,106.366 167.602,106.268 167.602,105.956 v1(167.64,105.918)
pads on no net: A0.4 A0.15 B0. K0.0 K1.0 K2.0 L0.1 L0.2 L0.9 SH0.0 SW0. SW0.0 SW0.1 T0.9 U3.3 U3.6 U4.2 U4.3 U4.4 U4.5 U4.14 U4.15 U4.16 U4.17 U4.19 U4.21 U4.22 U6.4
copper on no net:
  other v2: 174.333,92.485 174.333,94.009 174.316,104.14 174.316,105.664 174.316,116.713 174.316,118.237

## Polygon pours and split planes (outlines as drawn)
GND on Bottom Layer "Top Layer-No Net" (solid, pour order 3): 153.035,84.185 ccw(c155.035,84.185) 155.035,82.185 155.021,82.185 173.521,82.185 ccw(c173.528,84.192) 175.535,84.186 175.534,84.186 175.535,126.185 ccw(c173.535,126.185) 173.535,128.185 155.035,128.185 ccw(c155.035,126.185) 153.035,126.185
GND on Top Layer "GND_L01_P002" (solid, pour order 2): 153.035,84.185 ccw(c155.035,84.185) 155.035,82.185 155.021,82.185 173.521,82.185 ccw(c173.528,84.192) 175.535,84.186 175.534,84.186 175.535,126.185 ccw(c173.535,126.185) 173.535,128.185 155.035,128.185 ccw(c155.035,126.185) 153.035,126.185

## Keep-outs
Keep-Out Layer:
  circle w0.254: c155.535,87.985 r1.1
  circle w0.254: c155.535,122.385 r1.1
  circle w0.254: c173.035,122.385 r1.1
  circle w0.254: c173.035,87.985 r1.1
  lines w0.254: 155.021,82.185 173.521,82.185 ccw(c173.528,84.192) 175.534,84.186 175.535,126.185 ; 155.035,82.185 cw(c155.035,84.185) 153.035,84.185 153.035,126.185 cw(c155.035,126.185) 155.035,128.185 173.535,128.185 cw(c173.535,126.185) 175.535,126.185 ; 155.535,84.153 173.003,84.153 173.035,84.185 ccw(c172.035,85.185) 173.035,86.185 ; 155.535,84.185 cw(c156.535,85.185) 155.535,86.185 156.535,86.185 cw(c157.563,86.157) 157.591,87.185 168.91,87.185 cw(c168.855,86.241) 169.799,86.185 173.035,86.185 ; 155.535,124.185 cw(c156.535,125.185) 155.535,126.185 173.035,126.185 cw(c172.035,125.185) 173.035,124.185 155.535,124.185

## Other copper
Top Layer:
  rectangle net 3.3V: 157.278,98.933 159.004,100.965
  rectangle net VBAT: 164.854,92.71 165.481,95.246
  rectangle net VBAT: 165.227,94.748 165.735,96.752
  rectangle net VBAT: 156.578,96.52 165.735,97.028
  rectangle net VBAT: 156.021,95.631 157.178,97.155
  rectangle net bat-3.7V: 169.418,88.265 170.307,90.17
  rectangle net bat-3.7V: 166.854,88.519 167.259,89.408
  rectangle net bat-3.7V: 164.973,88.646 165.481,89.535
  rectangle net bat-3.7V: 157.178,87.773 170.434,88.688
  rectangle net bat-3.7V: 157.178,87.773 158.369,89.822
  rectangle net bat-3.7V: 157.034,89.605 158.054,92.202
  rectangle net NetC15_2: 169.743,96.139 170.434,98.552
  rectangle net NetC15_2: 169.743,97.917 172.662,99.187
  rectangle net NetC15_2: 171.9,98.679 174.463,100.076
  rectangle net 5V: 167.854,99.302 171.434,100.076
  rectangle net 5V: 167.767,97.415 168.783,100.076
  region net 5V: 174.347,101.6 174.347,102.6 170.41,102.6 170.41,101.6
  rectangle net 5V: 170.434,99.302 171.434,102.568
  rectangle net 5V: 156.418,97.409 168.148,98.552
  rectangle net 5V: 156.077,97.536 157.099,103.378
  rectangle net 5V: 155.61,103.124 156.826,104.775
Bottom Layer:
  rectangle net 3.3V: 157.226,98.806 158.841,101.092
  rectangle net VBAT: 155.977,95.504 157.226,97.536
  rectangle net bat-3.7V: 154.976,91.186 157.988,92.329
  rectangle net 5V: 155.664,103.124 156.895,105.41

## Silkscreen, mask and mechanical layers (free items; w line width, h text height)
Bottom Overlay:
  lines w0.254: 159.492,94.455 159.873,94.455 168.593,94.455 168.91,94.773 168.91,100.361 159.492,100.361 159.492,94.455
  text "20.10.23" at 168.783,104.648 h2
  text "WatchT V5" at 170.18,102.87 h2
  text "@TianXiaohua" at 170.18,101.473 h1.5

## Text inside footprints (layer, text, board x,y; h text height)
"25MHz X0": Top Overlay "*" at 155.084,113.833 h1 r270
L0: Top Overlay "1.14IPS-LCD" at 160.262,85.344 h1